# Altium PCB AL1000.PcbDoc (part 6 of 8)
Units mil, origin at the board's own origin, x right, y up, seen from the top; angles counter-clockwise.
Board outline 8277.75 x 4143.89 mil, 4 copper layers (Component Side, Ground Plane, Power Plane, Solder Side), stack 33.234 mil thick; 485 components, 360 nets, 1548 pads, 394 vias.
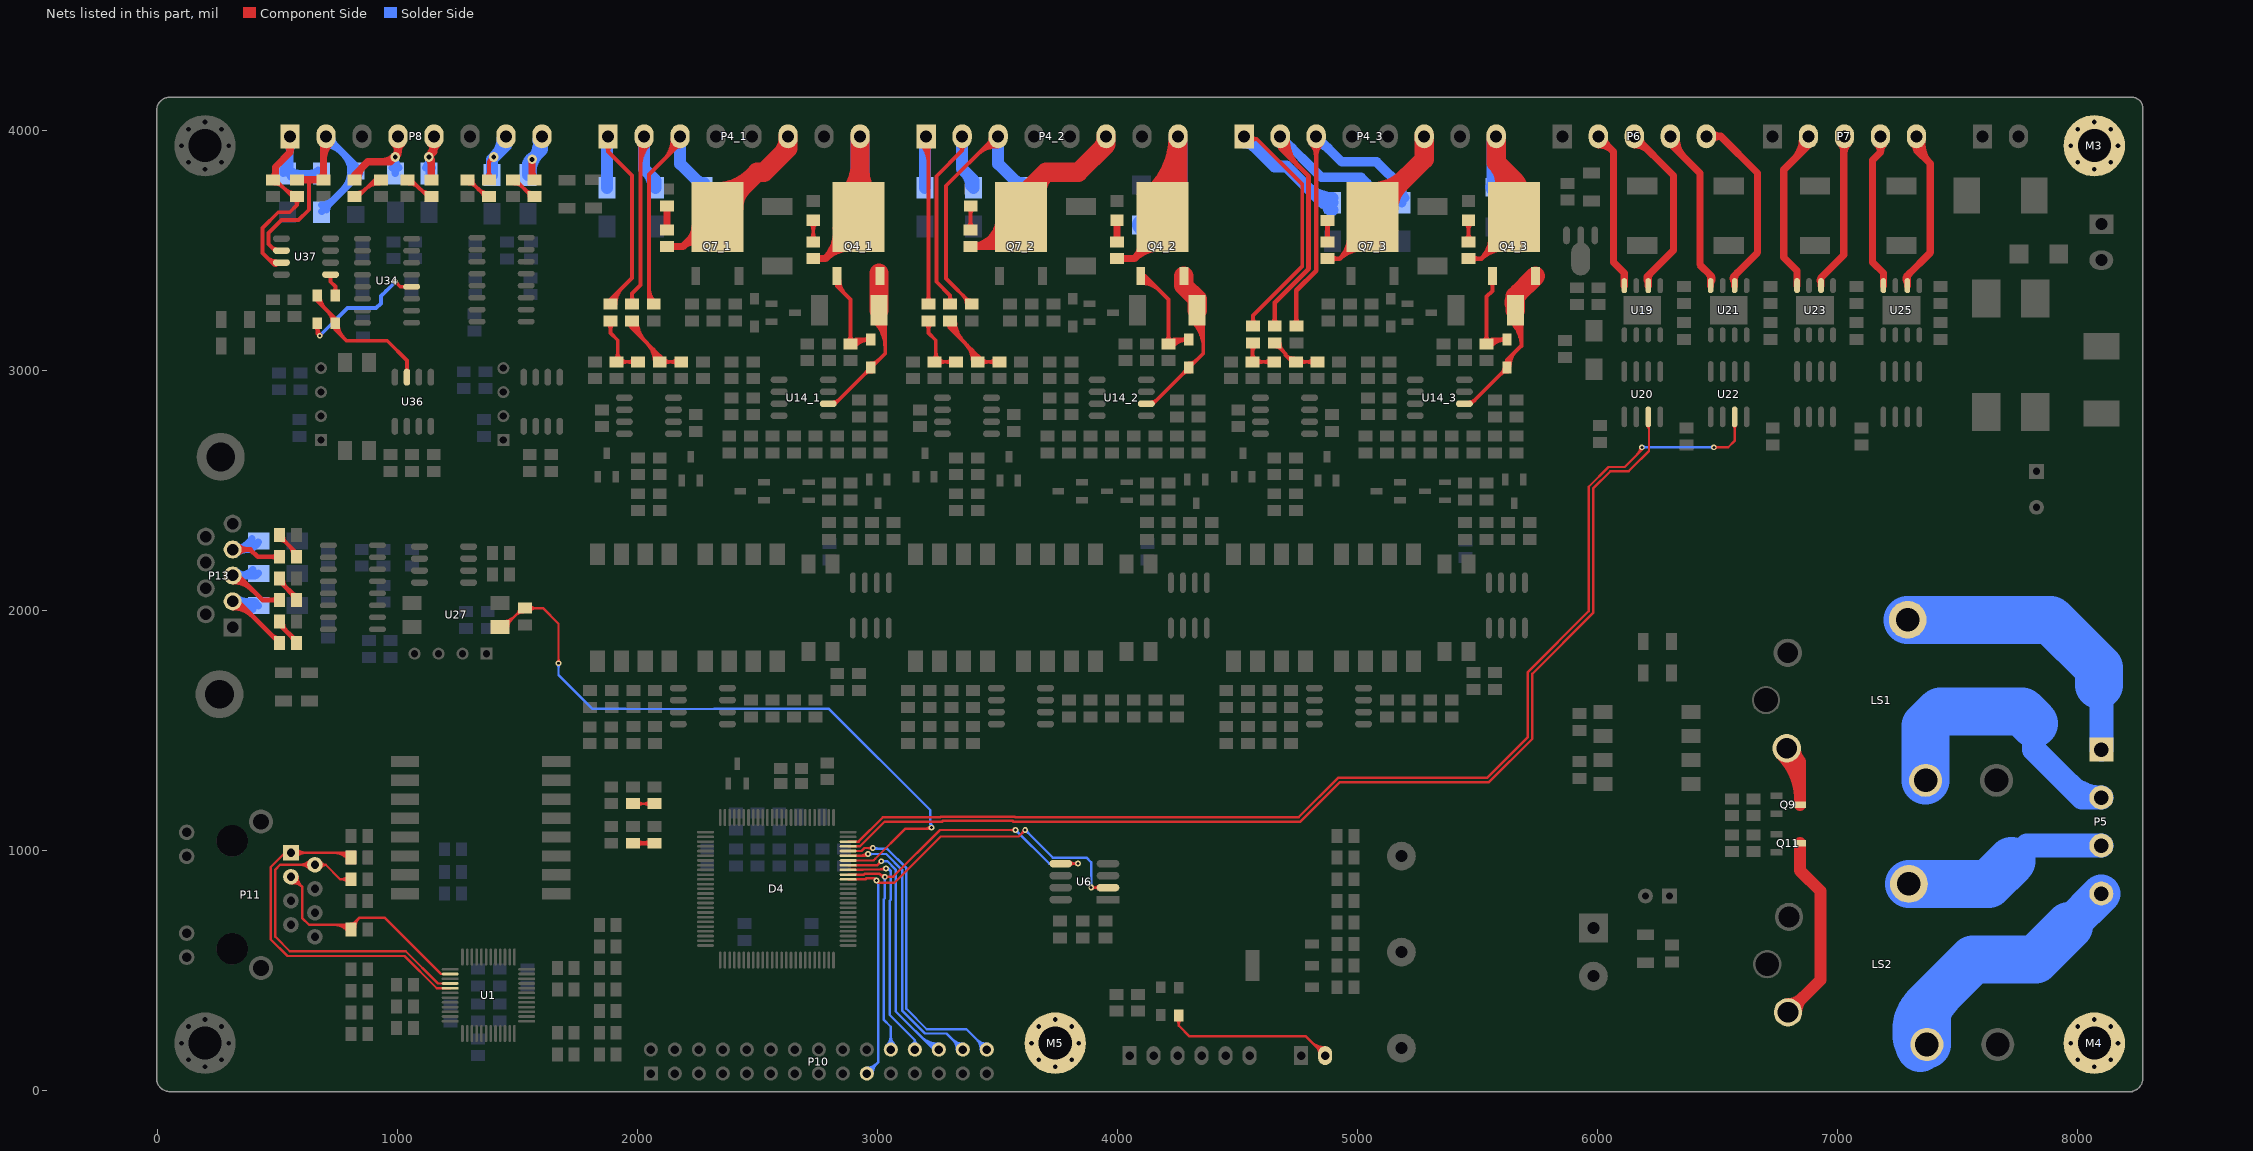
[diagram p8: the nets of this part, all layers, seen from the top]

## Via types
v1: diameter 24, hole 12, Component Side to Solder Side, tented both sides, 224 vias
v2: diameter 40, hole 20, Component Side to Solder Side, tented both sides, 140 vias
v3: diameter 50, hole 24, Component Side to Solder Side, tented both sides, 16 vias
v4: diameter 50, hole 28, Component Side to Solder Side, tented both sides, 10 vias
v5: diameter 50, hole 30, Component Side to Solder Side, tented both sides, 4 vias

## Nets (pads, with @x,y where several pads share a name; then routed paths per layer and width w, separated by ;. In a path a pad name is that pad's centre, name@x,y a point inside that pad or via, vN(x,y) a via of type N, cw(c..) or ccw(c..) an arc to the next point about the centre after c; other vN are vias at no path point) (continued)
NetD4_90: D4.90 P10.19 U6.2 | length 2506.9
  Component Side w10: D4.90@2877.24,879.37 2949.01,879.37 2954.33,884.69 2985.32,884.69 ; v1@2988.09,876.11 ccw(c2978.32,877.69) 2985.32,884.68 ; v1@2993.89,881.91 cw(c2992.31,891.68) 2985.32,884.68 ; v1@2995.93,868.06 cw(c2997.37,857.38) 3005,865 ; v1@3001.94,874.07 ccw(c3012.62,872.63) 3005,865 ; v1@3608,1085 cw(c3591.1,1085) 3603.05,1073.05 cw(c3615,1061.1) v1@3615,1078 ; v1(3615,1085) 3588,1058 3263.19,1058 3070.19,865 3005,865 ; v1(3890,845) U6.2@3960,845 ; v1@3894.95,840.05 cw(c3906.9,828.1) 3906.9,845 cw(c3906.9,861.9) v1@3894.95,849.95 ; U6.2@3920.9,837.4 ccw(c3902.56,819.05) 3902.56,845 ccw(c3902.56,870.95) U6.2@3920.9,852.6 ; 2985.32,884.69 v1(2995,875) 3005,865
  Solder Side w10: P10.19@2955,70 3003,118 3003,867 v1(2995,875) ; P10.19@2955,84.53 ccw(c2955,119.6) 2979.8,94.8 ccw(c3004.6,70) P10.19@2969.53,70 ; P10.19@2955,94.53 ccw(c2955,153.74) 2996.87,111.87 ccw(c3038.74,70) P10.19@2979.53,70 ; v1@3615,1078 cw(c3615,1061.1) 3626.95,1073.05 cw(c3638.9,1085) v1@3622,1085 ; v1(3615,1085) 3730,970 3870,970 3890,950 v1(3890,845) ; v1@3885.05,849.95 ccw(c3873.1,861.9) 3890,861.9 ccw(c3906.9,861.9) v1@3894.95,849.95
NetD4_91: D4.91 P10.22 U6.5 | length 2280.4
  Component Side w10: D4.91@2877.24,899.06 2943.24,899.06 2946.87,902.69 3007.32,902.69 ; v1@3028.34,896.8 cw(c3023.06,918.43) 3007.32,902.68 ; v1@3034.95,885.05 cw(c3046.9,873.1) 3046.9,890 cw(c3046.9,906.9) v1@3034.95,894.95 ; v1@3570.05,1080.05 ccw(c3558.1,1068.1) 3558.1,1085 ccw(c3558.1,1101.9) v1@3570.05,1089.95 ; v1(3575,1085) 3259.54,1085 3064.54,890 v1(3030,890) 3020,890 3007.32,902.69 ; U6.5@3763.15,945 v1(3835,945) ; U6.5@3802.25,937.4 cw(c3820.59,919.05) 3820.59,945 cw(c3820.59,970.95) U6.5@3802.25,952.6 ; v1@3830.05,940.05 ccw(c3818.1,928.1) 3818.1,945 ccw(c3818.1,961.9) v1@3830.05,949.95
  Solder Side w10: v1@3025.05,885.05 cw(c3013.1,873.1) 3030,873.1 cw(c3046.9,873.1) v1@3034.95,885.05 ; v1(3030,890) 3030,799.82 3025.18,795 3025.18,295 3055,265.18 P10.22@3055,170 ; P10.22@3037.66,187.34 ccw(c2995.79,229.21) 3055,229.21 ccw(c3114.21,229.21) P10.22@3072.34,187.34 ; P10.22@3044.73,180.27 ccw(c3019.93,205.07) 3055,205.07 ccw(c3090.07,205.07) P10.22@3065.27,180.27 ; v1@3575,1078 cw(c3575,1061.1) 3586.95,1073.05 cw(c3598.9,1085) v1@3582,1085 ; v1(3575,1085) 3715,945 v1(3835,945) ; v1@3830.05,940.05 ccw(c3818.1,928.1) 3818.1,945 ccw(c3818.1,961.9) v1@3830.05,949.95
NetD4_92: D4.92 P10.24 | length 1051
  Component Side w10: D4.92@2877.24,918.74 2937.47,918.74 2939.42,920.69 v1@3024.32,920.69 ; 3007.68,920.68 ccw(c3007.68,952.32) v1@3030.05,929.95
  Solder Side w10: v1(3035,925) 3045,925 3055,915 ; v1@3037.64,918.52 cw(c3043.67,903.67) 3055,915 ; P10.24@3143.88,191.86 ccw(c3134.65,210) 3155,210 ; P10.24@3155,170 3155,210 ; P10.24@3166.12,191.86 cw(c3175.35,210) 3155,210 ; 3055,915 3055,795 3050,790 3050,315 3155,210
NetD4_93: D4.93 P10.26 | length 1305.2
  Component Side w10: D4.93@2877.24,938.43 2877.5,938.69 2998.68,938.69 v1(3015,955) ; v1@3008,955 cw(c2991.1,955) 3003.05,943.05 cw(c3015,931.1) v1@3015,948
  Solder Side w10: v1(3015,955) 3040.46,955 3075,920.46 3075,330 3235,170 P10.26@3255,170 ; v1@3019.95,950.05 cw(c3031.9,938.1) 3031.9,955 cw(c3031.9,971.9) v1@3019.95,959.95 ; 3178.99,226.01 ccw(c3255,302.03) P10.26@3255,194.53 ; 3196.06,208.94 ccw(c3255,267.88) P10.26@3255,184.53 ; 3213.13,191.87 ccw(c3255,233.74) P10.26@3255,174.53
NetD4_94: D4.94 R86.2 U27.3 | length 3167.3
  Component Side w10: U27.3@1426.06,1931.34 1443.61,1931.34 1522.31,2010.04 R86.2@1530,2010.04 1604.96,2010.04 1670,1945 v1(1670,1780) ; U27.3@1435.91,1945.87 ccw(c1435.91,1999.53) 1473.85,1961.58 ; U27.3@1435.91,1955.87 ccw(c1435.91,2033.67) 1490.92,1978.65 ; U27.3@1460.43,1931.34 cw(c1501.06,1931.34) 1472.33,1960.06 ; 1490.74,1978.47 cw(c1523.9,1945.31) R86.2@1523.9,1992.2 ; 1494.58,1982.31 ccw(c1466.85,2010.04) R86.2@1506.06,2010.04 ; R86.2@1548.71,1997.43 cw(c1579.16,1966.98) 1579.16,2010.04 cw(c1579.16,2053.1) R86.2@1548.71,2022.65 ; v1@1665.05,1784.95 ccw(c1653.1,1796.9) 1670,1796.9 ccw(c1686.9,1796.9) v1@1674.95,1784.95 ; D4.94@2877.24,958.11 2983.11,958.11 2990,965 2990,965.36 3114.64,1090 3220,1090 v1(3225,1095) ; 3196.03,1090 ccw(c3196.03,1123.97) v1@3220.05,1099.95
  Solder Side w10: v1@1665.05,1775.05 cw(c1653.1,1763.1) 1670,1763.1 cw(c1686.9,1763.1) v1@1674.95,1775.05 ; v1(1670,1780) 1670,1731.37 1811.37,1590 1949.91,1590 1950.5,1589.42 2317.81,1589.42 2318.39,1590 2797.55,1590 3220,1167.55 3220,1090 v1(3225,1095) ; 3220,1123.97 ccw(c3253.97,1123.97) v1@3229.95,1099.95
NetD4_95: D4.95 P10.28 | length 1382.7
  Component Side w10: D4.95@2877.24,977.8 2952.8,977.8 v1(2960,985) ; 2925.71,977.8 ccw(c2925.71,1019.29) v1@2955.05,989.95 ; 2949.85,977.8 ccw(c2949.85,995.15) v1@2962.12,982.88
  Solder Side w10: v1(2960,985) 3035.91,985 3102,918.91 3102,332.54 3197.54,237 3287.54,237 3354.54,170 P10.28@3355,170 ; v1@2964.95,980.05 cw(c2976.9,968.1) 2976.9,985 cw(c2976.9,1001.9) v1@2964.95,989.95 ; 3312.35,212.19 ccw(c3355,254.84) P10.28@3355,194.53 ; 3313.45,211.09 cw(c3272.36,170) P10.28@3330.47,170 ; 3329.42,195.12 ccw(c3355,220.7) P10.28@3355,184.53 ; 3330.52,194.02 cw(c3306.5,170) P10.28@3340.47,170
NetD4_96: D4.96 P10.30 | length 1470.3
  Component Side w10: D4.96@2877.24,997.48 2932.48,997.48 2945,1010 v1(2980,1010) ; v1@2975.05,1005.05 ccw(c2963.1,993.1) 2963.1,1010 ccw(c2963.1,1026.9) v1@2975.05,1014.95
  Solder Side w10: v1(2980,1010) 2983,1007 3039.37,1007 3120,926.37 3120,340 3205,255 3370,255 P10.30@3455,170 ; v1@2984.95,1014.95 ccw(c3004.14,1034.14) 3004.14,1007 ; P10.30@3430.47,170 ccw(c3371.26,170) 3413.13,211.87 ccw(c3455,253.74) P10.30@3455,194.53 ; P10.30@3440.47,170 ccw(c3405.4,170) 3430.2,194.8 ccw(c3455,219.6) P10.30@3455,184.53
NetD4_97: D4.97 U20.3 | length 4650.1
  Component Side w10: D4.97@2877.24,1017.17 2926.71,1017.17 3029.54,1120 3269.09,1120 3272.09,1123 3562.46,1123 3565.46,1120 4761.82,1120 4926.32,1284.5 5547.68,1284.5 5728,1464.82 5728,1735.82 5982,1989.82 5982,2508.37 6053.82,2580.18 6129.73,2580.18 6182.54,2633 6183,2633 6215,2665 6215,2803.66 U20.3@6211.77,2806.89 ; U20.3@6206.96,2770.58 cw(c6187.53,2751.16) 6215,2751.16
NetD4_98: D4.98 U22.3 | length 5109.7
  Component Side w10: D4.98@2877.24,1036.85 2920.94,1036.85 3022.09,1138 3261.63,1138 3264.63,1141 3569.91,1141 3572.91,1138 4754.37,1138 4918.87,1302.5 5540.22,1302.5 5710,1472.28 5710,1743.28 5964,1997.28 5964,2515.82 6046.36,2598.18 6113.54,2598.18 6185,2669.64 v1(6185,2680) ; 6165.73,2650.37 ccw(c6136.1,2680) v1@6178,2680 ; 6182.8,2667.44 ccw(c6170.24,2680) v1@6188,2680 ; v1(6485,2680) 6545,2680 6571.77,2706.77 U22.3@6571.77,2806.89 ; v1@6489.95,2675.05 cw(c6501.9,2663.1) 6501.9,2680 cw(c6501.9,2696.9) v1@6489.95,2684.95 ; U22.3@6566.96,2770.58 cw(c6555.33,2758.95) 6571.77,2758.95 cw(c6588.21,2758.95) U22.3@6576.59,2770.58
  Solder Side w10: v1(6185,2680) v1(6485,2680) ; v1@6189.95,2675.05 cw(c6201.9,2663.1) 6201.9,2680 cw(c6201.9,2696.9) v1@6189.95,2684.95 ; v1@6480.05,2675.05 ccw(c6468.1,2663.1) 6468.1,2680 ccw(c6468.1,2696.9) v1@6480.05,2684.95
NetD6_1: D6.1 P12.2 | length 898.6
  Component Side w10: D6.1@4244.62,296.62 cw(c4219.55,271.56) 4255,271.56 cw(c4290.45,271.56) D6.1@4265.38,296.62 ; D6.1@4255,311.93 4255,270 4300,225 4785,225 P12.2@4865,145 ; 4806.33,203.67 ccw(c4865,262.35) P12.2@4865,179.37 ; 4823.4,186.6 ccw(c4865,228.2) P12.2@4865,169.37 ; 4830.09,179.91 cw(c4805.02,154.84) P12.2@4840.47,154.84
NetD7_1_1: D7_1.1 D11_1.K P4_1.8 Q4_1.4 | length 1590.7
  Component Side w30: D11_1.K@2731.77,3466.34 2781.73,3466.34 ; Q4_1.4@2825.25,3509.85 cw(c2900.21,3434.89) Q4_1.4@2913.09,3540.12 ; Q4_1.4@2826.91,3511.52 ccw(c2751.27,3587.17) Q4_1.4@2857.79,3597.06 ; Q4_1.4@2827.92,3594.29 cw(c2668.59,3579.49) 2781.74,3466.34 ; Q4_1.4@2909.45,3510.34 ccw(c2890.71,3357.37) 2781.74,3466.34 ; Q4_1.4@2920.79,3640.32 2920.79,3605.39 2781.73,3466.34
  Component Side w80: Q4_1.4@2872.51,3725.99 ccw(c2741.53,3856.98) 2926.77,3856.98 ; Q4_1.4@2920.79,3640.32 2901.77,3640.32 2926.77,3665.32 P4_1.8@2926.77,3976.38 ; 2926.77,3828.08 ccw(c3071.15,3828.08) Q4_1.4@2969.06,3725.99
  Solder Side w80: D7_1.1@2921.77,3764.06 2926.77,3769.06 P4_1.8@2926.77,3976.38
NetD7_2_1: D7_2.1 D11_2.K P4_2.8 Q4_2.4 | length 2125.2
  Component Side w30: D11_2.K@3997.36,3466.34 4070,3466.34 ; Q4_2.4@4097.2,3575.59 cw(c3992.77,3543.58) 4070.01,3466.34 ; Q4_2.4@4105.28,3501.62 ccw(c4046.77,3560.13) Q4_2.4@4125.89,3584.38 ; Q4_2.4@4118.04,3514.38 cw(c4179.43,3453) Q4_2.4@4183.45,3539.71 ; Q4_2.4@4182.06,3509.75 ccw(c4175.17,3361.19) 4070.01,3466.35 ; Q4_2.4@4186.38,3640.32 4186.38,3582.72 4070,3466.34
  Component Side w80: Q4_2.4@4141.06,3728.78 ccw(c3921.33,3976.36) P4_2.8@4252.36,3976.38 4252.36,3706.3 Q4_2.4@4186.38,3640.32 ; Q4_2.4@4194.17,3668.94 ccw(c4079.27,3798.4) 4252.36,3798.4
  Solder Side w80: D7_2.1@4099.56,3606.87 ccw(c4128.21,3636.43) 4157.32,3607.32 ; D7_2.1@4100,3606.69 ccw(c4100,3743.56) 4196.78,3646.78 ; D7_2.1@4100,3607.32 4157.32,3607.32 ; P4_2.8@4252.36,3976.38 4252.36,3702.36 4157.32,3607.32
NetD7_3_1: D7_3.1 D11_3.K P4_3.8 Q4_3.4 | length 1979.4
  Component Side w20: D11_3.K@5462.95,3466.34 5516.34,3466.34 ; D11_3.K@5478.13,3457.26 cw(c5500.04,3435.35) 5500.04,3466.34 cw(c5500.04,3497.32) D11_3.K@5478.13,3475.41 ; 5543.86,3493.86 ccw(c5465.67,3572.04) Q4_3.4@5574.75,3590.12 ; 5544.23,3494.23 cw(c5623.02,3415.44) Q4_3.4@5640.02,3525.56 ; Q4_3.4@5555.02,3586.85 cw(c5418.47,3564.22) 5516.34,3466.34 ; Q4_3.4@5571.37,3521.37 ccw(c5512.87,3579.86) Q4_3.4@5594.48,3593.39 ; Q4_3.4@5572.12,3522.12 cw(c5630.48,3463.76) Q4_3.4@5643.08,3545.33 ; Q4_3.4@5636.97,3505.8 ccw(c5615.56,3367.13) 5516.34,3466.34 ; Q4_3.4@5651.97,3640.32 5651.97,3601.97 5516.34,3466.34
  Component Side w80: P4_3.8@5577.95,3976.38 5577.95,3867.05 ; Q4_3.4@5594.48,3714.53 ccw(c5491.43,3780.52) 5577.96,3867.04 ; Q4_3.4@5619.14,3737.57 ccw(c5588.72,3793.03) 5651.97,3793.03 ; 5648.27,3796.73 cw(c5577.16,3725.62) Q4_3.4@5661.85,3671.39 ; Q4_3.4@5651.97,3640.32 5651.97,3793.03 ; Q4_3.4@5684.8,3737.57 cw(c5715.22,3793.03) 5651.97,3793.03 ; 5577.95,3867.05 5651.97,3793.03
  Solder Side w80: D7_3.1@5572.95,3764.06 5577.95,3769.06 P4_3.8@5577.95,3976.38
NetD8_1_2: D8_1.2 L9_1.1 P4_1.3 | length 1345.8
  Component Side w16: 2046.77,3307.16 ccw(c2091.41,3307.16) L9_1.1@2059.85,3275.59 ; 2046.77,3345.78 ccw(c2130.04,3345.78) L9_1.1@2071.16,3286.91 ; L9_1.1@2066.77,3276.42 2046.77,3296.42 2046.77,3816.77 2176.77,3946.77 P4_1.3@2176.77,3976.38 ; 2108.28,3878.28 ccw(c2020.18,3966.38) P4_1.3@2144.77,3966.38 ; 2135.59,3905.59 ccw(c2074.81,3966.38) P4_1.3@2160.77,3966.38 ; 2155.61,3925.61 cw(c2176.77,3904.46) P4_1.3@2176.77,3934.38
  Solder Side w50: P4_1.3@2176.77,3976.38 2176.77,3861.38 D8_1.2@2276.77,3761.38 ; D8_1.2@2242.63,3795.52 ccw(c2276.77,3829.66) D8_1.2@2276.77,3781.38
NetD8_2_2: D8_2.2 L9_2.1 P4_2.3 | length 1383
  Component Side w16: 3356.62,3312.16 cw(c3320.88,3276.42) L9_2.1@3371.43,3276.42 ; L9_2.1@3371.35,3297.43 ccw(c3386.26,3312.33) L9_2.1@3386.26,3291.25 ; L9_2.1@3392.36,3276.42 3285,3383.78 3285,3770 3472.36,3957.36 3483.35,3957.36 P4_2.3@3502.36,3976.38 ; 3411.91,3896.91 cw(c3502.36,3806.46) P4_2.3@3502.36,3934.38 ; 3439.23,3924.23 cw(c3502.36,3861.09) P4_2.3@3502.36,3950.38 ; 3462.57,3947.57 ccw(c3443.77,3966.38) P4_2.3@3470.36,3966.38
  Solder Side w50: P4_2.3@3502.36,3976.38 3502.36,3861.38 D8_2.2@3602.36,3761.38 ; D8_2.2@3568.22,3795.52 ccw(c3602.36,3829.66) D8_2.2@3602.36,3781.38
NetD8_3_2: D8_3.2 L9_3.1 P4_3.3 | length 1637.9
  Component Side w20: L9_3.1@4735.92,3194.11 ccw(c4714.01,3216.02) 4745,3216.02 ccw(c4775.99,3216.02) L9_3.1@4754.08,3194.11 ; L9_3.1@4745,3185.04 4745,3333.63 4827.95,3416.59 P4_3.3@4827.95,3976.38 ; P4_3.3@4806.74,3945.16 cw(c4755.53,3893.95) 4827.95,3893.95 cw(c4900.38,3893.95) P4_3.3@4849.17,3945.16
  Solder Side w40: P4_3.3@4827.95,3946.38 cw(c4827.95,3873.95) 4879.17,3925.16 ; P4_3.3@4827.95,3976.38 4934.33,3870 5080,3870 5185,3765 D8_3.2@5185,3699.61 ; D8_3.2@5174.09,3720.09 ccw(c5147.74,3746.43) 5185,3746.43 ccw(c5222.26,3746.43) D8_3.2@5195.91,3720.09
  Solder Side w50: P4_3.3@4827.95,3952.05 P4_3.3@4827.95,3976.38
NetD9_1_2: D9_1.2 L8_1.2 P4_1.2 | length 1264.4
  Component Side w16: L8_1.2@1966.28,3286.91 ccw(c1940.96,3312.23) 1976.77,3312.23 ccw(c2012.59,3312.23) L8_1.2@1987.26,3286.91 ; L8_1.2@1976.77,3276.42 1976.77,3321.38 2011.77,3356.38 2011.77,3961.38 P4_1.2@2026.77,3976.38 ; P4_1.2@2004.14,3943.75 cw(c1985.73,3925.34) 2011.77,3925.34 ; 2011.77,3852.91 cw(c2140.24,3852.91) P4_1.2@2049.4,3943.75 ; 2011.77,3891.54 cw(c2101.61,3891.54) P4_1.2@2038.09,3955.06
  Solder Side w50: P4_1.2@2026.77,3976.38 2026.77,3840.13 2074.27,3792.63 D9_1.2@2074.27,3761.38 ; 2041.13,3825.77 cw(c1986.3,3770.95) D9_1.2@2063.84,3770.95
NetD9_2_2: D9_2.2 L8_2.2 P4_2.2 | length 1169.8
  Component Side w16: L8_2.2@3291.87,3286.91 ccw(c3266.55,3312.23) 3302.36,3312.23 ccw(c3338.18,3312.23) L8_2.2@3312.85,3286.91 ; L8_2.2@3302.36,3276.42 3302.36,3312.64 3245,3370 3245,3810 3352.36,3917.36 P4_2.2@3352.36,3976.38 ; P4_2.2@3339.49,3937.08 cw(c3330.83,3917.36) 3352.36,3917.36 cw(c3373.9,3917.36) P4_2.2@3365.24,3937.08
  Solder Side w50: P4_2.2@3352.36,3976.38 3352.36,3840.13 3399.86,3792.63 D9_2.2@3399.86,3761.38 ; 3366.72,3825.77 cw(c3311.89,3770.95) D9_2.2@3389.43,3770.95
NetD9_3_2: D9_3.2 L8_3.2 P4_3.2 | length 1867.1
  Component Side w20: L8_3.2@4645.92,3194.11 ccw(c4624.01,3216.02) 4655,3216.02 ccw(c4685.99,3216.02) L8_3.2@4664.08,3194.11 ; L8_3.2@4655,3185.04 4655,3283.23 4796,3424.23 4796,3809 4677.95,3927.05 P4_3.2@4677.95,3976.38 ; P4_3.2@4667.95,3966.38 ccw(c4738.76,3966.38) 4688.69,3916.31 ; P4_3.2@4687.95,3966.38 ccw(c4807.05,3966.38) 4722.84,3882.16 ; P4_3.2@4707.95,3966.38 ccw(c4875.33,3966.38) 4756.98,3848.02
  Solder Side w40: P4_3.2@4677.95,3946.38 cw(c4677.95,3873.95) 4729.17,3925.16 ; P4_3.2@4677.95,3976.38 4849.33,3805 5015,3805 5040,3780 D9_3.2@5040,3699.61 ; D9_3.2@5029.09,3720.09 ccw(c5002.74,3746.43) 5040,3746.43 ccw(c5077.26,3746.43) D9_3.2@5050.91,3720.09
NetD10_1_2: D10_1.2 L6_1.2 P4_1.1 | length 1216.3
  Component Side w16: P4_1.1@1861.8,3938.1 cw(c1848.64,3913.23) 1876.77,3913.23 ; P4_1.1@1876.77,3976.38 1876.77,3913.23 ; L6_1.2@1886.77,3276.42 1886.77,3296.38 1976.77,3386.38 1976.77,3813.23 1876.77,3913.23 ; L6_1.2@1891.71,3276.42 cw(c1951.82,3276.42) 1909.31,3318.92 ; P4_1.1@1891.74,3938.1 ccw(c1904.91,3913.23) 1876.77,3913.23 ; L6_1.2@1907.71,3276.42 cw(c2006.44,3276.42) 1936.63,3346.23
  Solder Side w50: D10_1.2@1871.77,3761.38 P4_1.1@1871.77,3971.38 ; 1871.77,3918.09 cw(c1925.06,3918.09) P4_1.1@1887.38,3955.77
NetD10_2_2: D10_2.2 L6_2.2 P4_2.1 | length 1197.8
  Component Side w16: P4_2.1@3179.73,3943.75 cw(c3100.97,3864.98) 3212.36,3864.98 ; P4_2.1@3191.05,3955.06 cw(c3139.59,3903.61) 3212.36,3903.61 ; L6_2.2@3201.87,3286.91 ccw(c3176.55,3312.23) 3212.36,3312.23 ccw(c3248.18,3312.23) L6_2.2@3222.85,3286.91 ; P4_2.1@3202.36,3976.38 3212.36,3966.38 L6_2.2@3212.36,3276.42 ; 3212.36,3913.27 cw(c3255.47,3913.27) P4_2.1@3224.99,3943.75
  Solder Side w50: D10_2.2@3197.36,3761.38 3197.36,3971.38 P4_2.1@3202.36,3976.38 ; 3197.36,3918.09 cw(c3250.65,3918.09) P4_2.1@3212.97,3955.77
NetD10_3_2: D10_3.2 L6_3.2 P4_3.1 | length 1783.4
  Component Side w16: P4_3.1@4527.95,3976.38 4539.33,3965 4580,3965 ; L6_3.2@4554.51,3195.53 ccw(c4529.19,3220.85) 4565,3220.85 ccw(c4600.81,3220.85) L6_3.2@4575.49,3195.53 ; P4_3.1@4555.93,3950.84 cw(c4580,3937.46) 4580,3965 ; P4_3.1@4557.04,3979.73 ccw(c4580,3990.27) 4580,3965 ; L6_3.2@4565,3185.04 4565,3230 4770,3435 4770,3775 4580,3965
  Solder Side w50: P4_3.1@4522.05,3976.38 4525,3973.43 P4_3.1@4527.95,3976.38 4654.33,3850 4705,3850 4855.39,3699.61 D10_3.2@4895,3699.61 ; P4_3.1@4527.95,3951.38 cw(c4527.95,3891.02) 4570.63,3933.7 ; 4793.25,3761.75 ccw(c4895,3863.51) D10_3.2@4895,3719.61 ; D10_3.2@4878.6,3676.4 ccw(c4895,3692.8) D10_3.2@4895,3669.61
NetD11_1_A: D11_1.A R51_1.2 | length 210.7
  Component Side w16: R51_1.2@2719.75,3614.36 cw(c2690.73,3585.34) 2731.77,3585.34 cw(c2772.81,3585.34) R51_1.2@2743.79,3614.36 ; D11_1.A@2721.28,3546.91 ccw(c2695.96,3572.23) 2731.77,3572.23 ccw(c2767.59,3572.23) D11_1.A@2742.26,3546.91 ; D11_1.A@2731.77,3536.42 R51_1.2@2731.77,3626.38
NetD11_2_A: D11_2.A R51_2.2 | length 90
  Component Side w30: D11_2.A@3997.36,3536.42 R51_2.2@3997.36,3626.38
NetD11_3_A: D11_3.A R51_3.2 | length 210.7
  Component Side w16: R51_3.2@5450.93,3614.36 cw(c5421.91,3585.34) 5462.95,3585.34 cw(c5503.99,3585.34) R51_3.2@5474.97,3614.36 ; D11_3.A@5452.46,3546.91 ccw(c5427.14,3572.23) 5462.95,3572.23 ccw(c5498.77,3572.23) D11_3.A@5473.44,3546.91 ; D11_3.A@5462.95,3536.42 R51_3.2@5462.95,3626.38
NetD12_1_1: D12_1.1 Q4_1.3 R62_1.2 U14_1.6 | length 1057
  Component Side w16: U14_1.6@2794.13,2861.38 2821.77,2861.38 3031.77,3071.38 3031.77,3215.94 3006.34,3241.38 R62_1.2@3006.34,3251.42 ; U14_1.6@2815.79,2867.16 ccw(c2815.79,2895.56) 2835.87,2875.48 ; 2946.72,2986.32 cw(c2971.77,2961.27) D12_1.1@2971.77,2996.7 ; D12_1.1@2953.94,2993.55 ccw(c2939.1,3008.39) D12_1.1@2960.09,3008.39 ; D12_1.1@2971.77,3029.91 ccw(c2971.77,3074.66) 3003.41,3043.02 ; D12_1.1@2976.77,2996.42 2976.77,3008.31 D12_1.1@2979.27,3010.81 ; R62_1.2@2986.94,3204.46 cw(c2878.71,3096.23) 3031.77,3096.23 ; R62_1.2@2998.25,3215.77 cw(c2917.33,3134.85) 3031.77,3134.85 ; R62_1.2@3009.57,3227.09 cw(c2955.96,3173.48) 3031.77,3173.48
  Component Side w80: R62_1.2@3006.34,3251.42 Q4_1.3@3006.34,3406.38
NetD12_1_2: D12_1.2 Q4_1.1 R56_1.1 | length 759.5
  Component Side w16: Q4_1.1@2824.03,3367.45 cw(c2810.82,3352.17) 2831.02,3352.17 ; Q4_1.1@2825.72,3375.55 ccw(c2869.39,3375.55) 2838.51,3344.68 ; Q4_1.1@2831.02,3394.25 2831.02,3352.17 ; Q4_1.1@2838.02,3367.45 ccw(c2851.23,3352.17) 2831.02,3352.17 ; Q4_1.1@2841.72,3375.55 ccw(c2924.02,3375.55) 2865.83,3317.36 ; R56_1.1@2876.28,3121.91 ccw(c2850.96,3147.23) 2886.77,3147.23 ccw(c2922.59,3147.23) R56_1.1@2897.26,3121.91 ; R56_1.1@2892.05,3112.24 cw(c2933.36,3071.26) 2933.36,3129.45 ; R56_1.1@2903.41,3100.97 cw(c2971.77,3033.16) D12_1.2@2971.77,3129.45 2909.8,3129.45 2891.77,3111.42 R56_1.1@2886.77,3111.42 2886.77,3296.42 2831.02,3352.17 ; D12_1.2@2963.51,3121.19 ccw(c2943.56,3101.24) 2943.56,3129.45 ccw(c2943.56,3157.66) D12_1.2@2963.51,3137.71 ; D12_1.2@2971.77,3124.45 D12_1.2@2976.77,3124.45
NetD12_2_1: D12_2.1 Q4_2.3 R62_2.2 U14_2.6 | length 1022
  Component Side w16: U14_2.6@4119.72,2861.38 4147.36,2861.38 4357.36,3071.38 R62_2.2@4357.36,3215.94 ; U14_2.6@4141.38,2867.16 ccw(c4141.38,2895.56) 4161.46,2875.48 ; 4272.31,2986.32 cw(c4297.36,2961.27) D12_2.1@4297.36,2996.7 ; D12_2.1@4279.53,2993.55 ccw(c4264.69,3008.39) D12_2.1@4285.68,3008.39 ; D12_2.1@4297.36,3029.91 ccw(c4297.36,3074.66) 4329,3043.02 ; D12_2.1@4302.36,2996.42 4302.36,3008.31 D12_2.1@4304.86,3010.81 ; R62_2.2@4312.53,3204.46 cw(c4204.3,3096.23) 4357.36,3096.23 ; R62_2.2@4323.84,3215.77 cw(c4242.92,3134.85) 4357.36,3134.85 ; R62_2.2@4335.16,3227.09 cw(c4281.55,3173.48) 4357.36,3173.48
  Component Side w80: Q4_2.3@4276.14,3394.25 4276.14,3353.86 4331.93,3298.07 R62_2.2@4331.93,3251.42
NetD12_2_2: D12_2.2 Q4_2.1 R56_2.1 | length 839.4
  Component Side w16: Q4_2.1@4096.61,3364.85 cw(c4096.61,3250.62) 4177.39,3331.39 ; Q4_2.1@4096.61,3380.85 cw(c4096.61,3305.25) 4150.07,3358.71 ; Q4_2.1@4096.61,3394.25 4114.53,3394.25 4212.36,3296.42 R56_2.1@4212.36,3111.42 4217.36,3111.42 4235.39,3129.45 D12_2.2@4297.36,3129.45 ccw(c4297.36,3033.16) R56_2.1@4229,3100.97 ; Q4_2.1@4096.61,3396.85 cw(c4096.61,3359.88) 4122.76,3386.02 ; R56_2.1@4201.87,3121.91 ccw(c4176.55,3147.23) 4212.36,3147.23 ccw(c4248.18,3147.23) R56_2.1@4222.85,3121.91 ; R56_2.1@4217.64,3112.24 cw(c4258.95,3071.26) 4258.95,3129.45 ; D12_2.2@4289.1,3121.19 ccw(c4269.15,3101.24) 4269.15,3129.45 ccw(c4269.15,3157.66) D12_2.2@4289.1,3137.71 ; D12_2.2@4297.36,3124.45 D12_2.2@4302.36,3124.45
NetD12_3_1: D12_3.1 Q4_3.3 R62_3.2 U14_3.6 | length 1192.1
  Component Side w16: U14_3.6@5445.32,2861.38 5472.95,2861.38 D12_3.1@5623.92,3012.34 ; U14_3.6@5466.97,2867.16 ccw(c5466.97,2895.56) 5487.05,2875.48 ; 5597.9,2986.32 cw(c5622.95,2961.27) D12_3.1@5622.95,2996.7 ; D12_3.1@5605.12,2993.55 ccw(c5590.28,3008.39) D12_3.1@5611.27,3008.39 ; D12_3.1@5615.01,3026.8 ccw(c5598.13,3045) 5622.95,3045 ; D12_3.1@5618.64,3018.23 cw(c5672.85,3018.23) 5634.52,3056.56 ; D12_3.1@5622.95,3013.31 5622.95,3045 ; D12_3.1@5627.95,2996.42 5627.95,3008.31 D12_3.1@5630.45,3010.81 ; D12_3.1@5630.9,3026.8 cw(c5647.78,3045) 5622.95,3045 ; D12_3.1@5634.64,3018.23 cw(c5727.48,3018.23) 5661.83,3083.88 ; R62_3.2@5638.81,3203.79 cw(c5544.24,3102.32) 5682.95,3102.32 ; R62_3.2@5649.72,3215.49 cw(c5578.52,3139.1) 5682.95,3139.1 ; R62_3.2@5660.63,3227.2 cw(c5612.81,3175.88) 5682.95,3175.88 ; R62_3.2@5682.95,3215.94 5682.95,3105 5622.95,3045